# KiCad board hermod-right.kicad_pcb
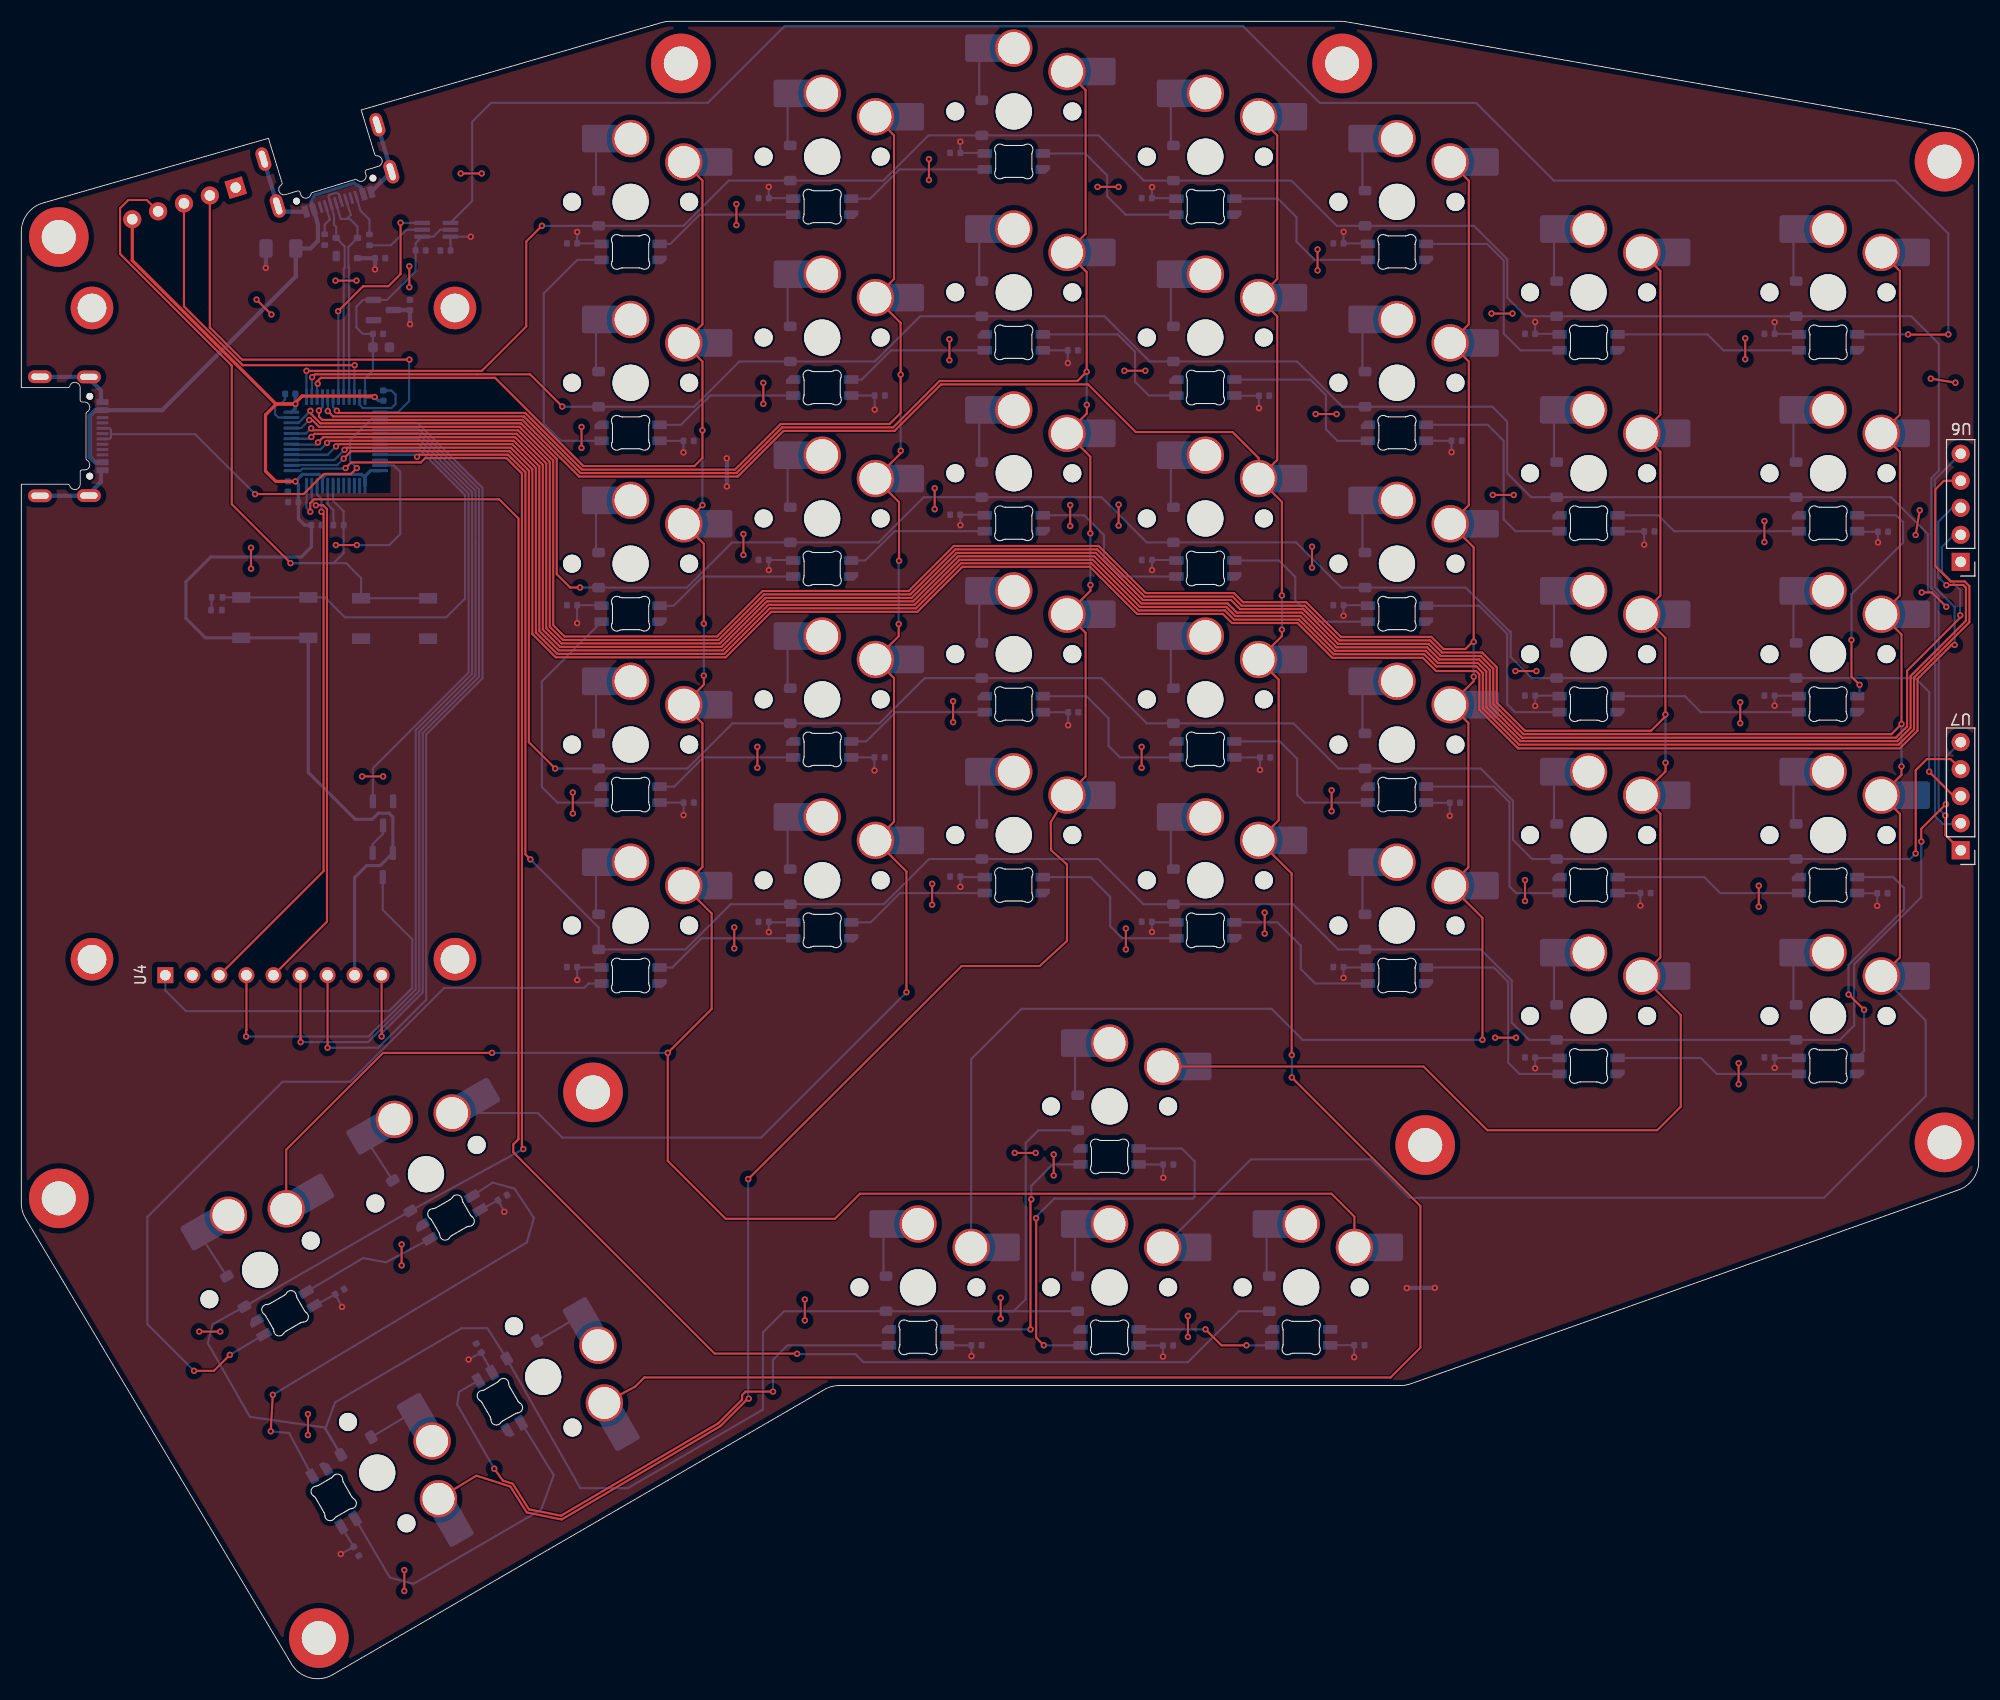
[diagram p0: board, top side]
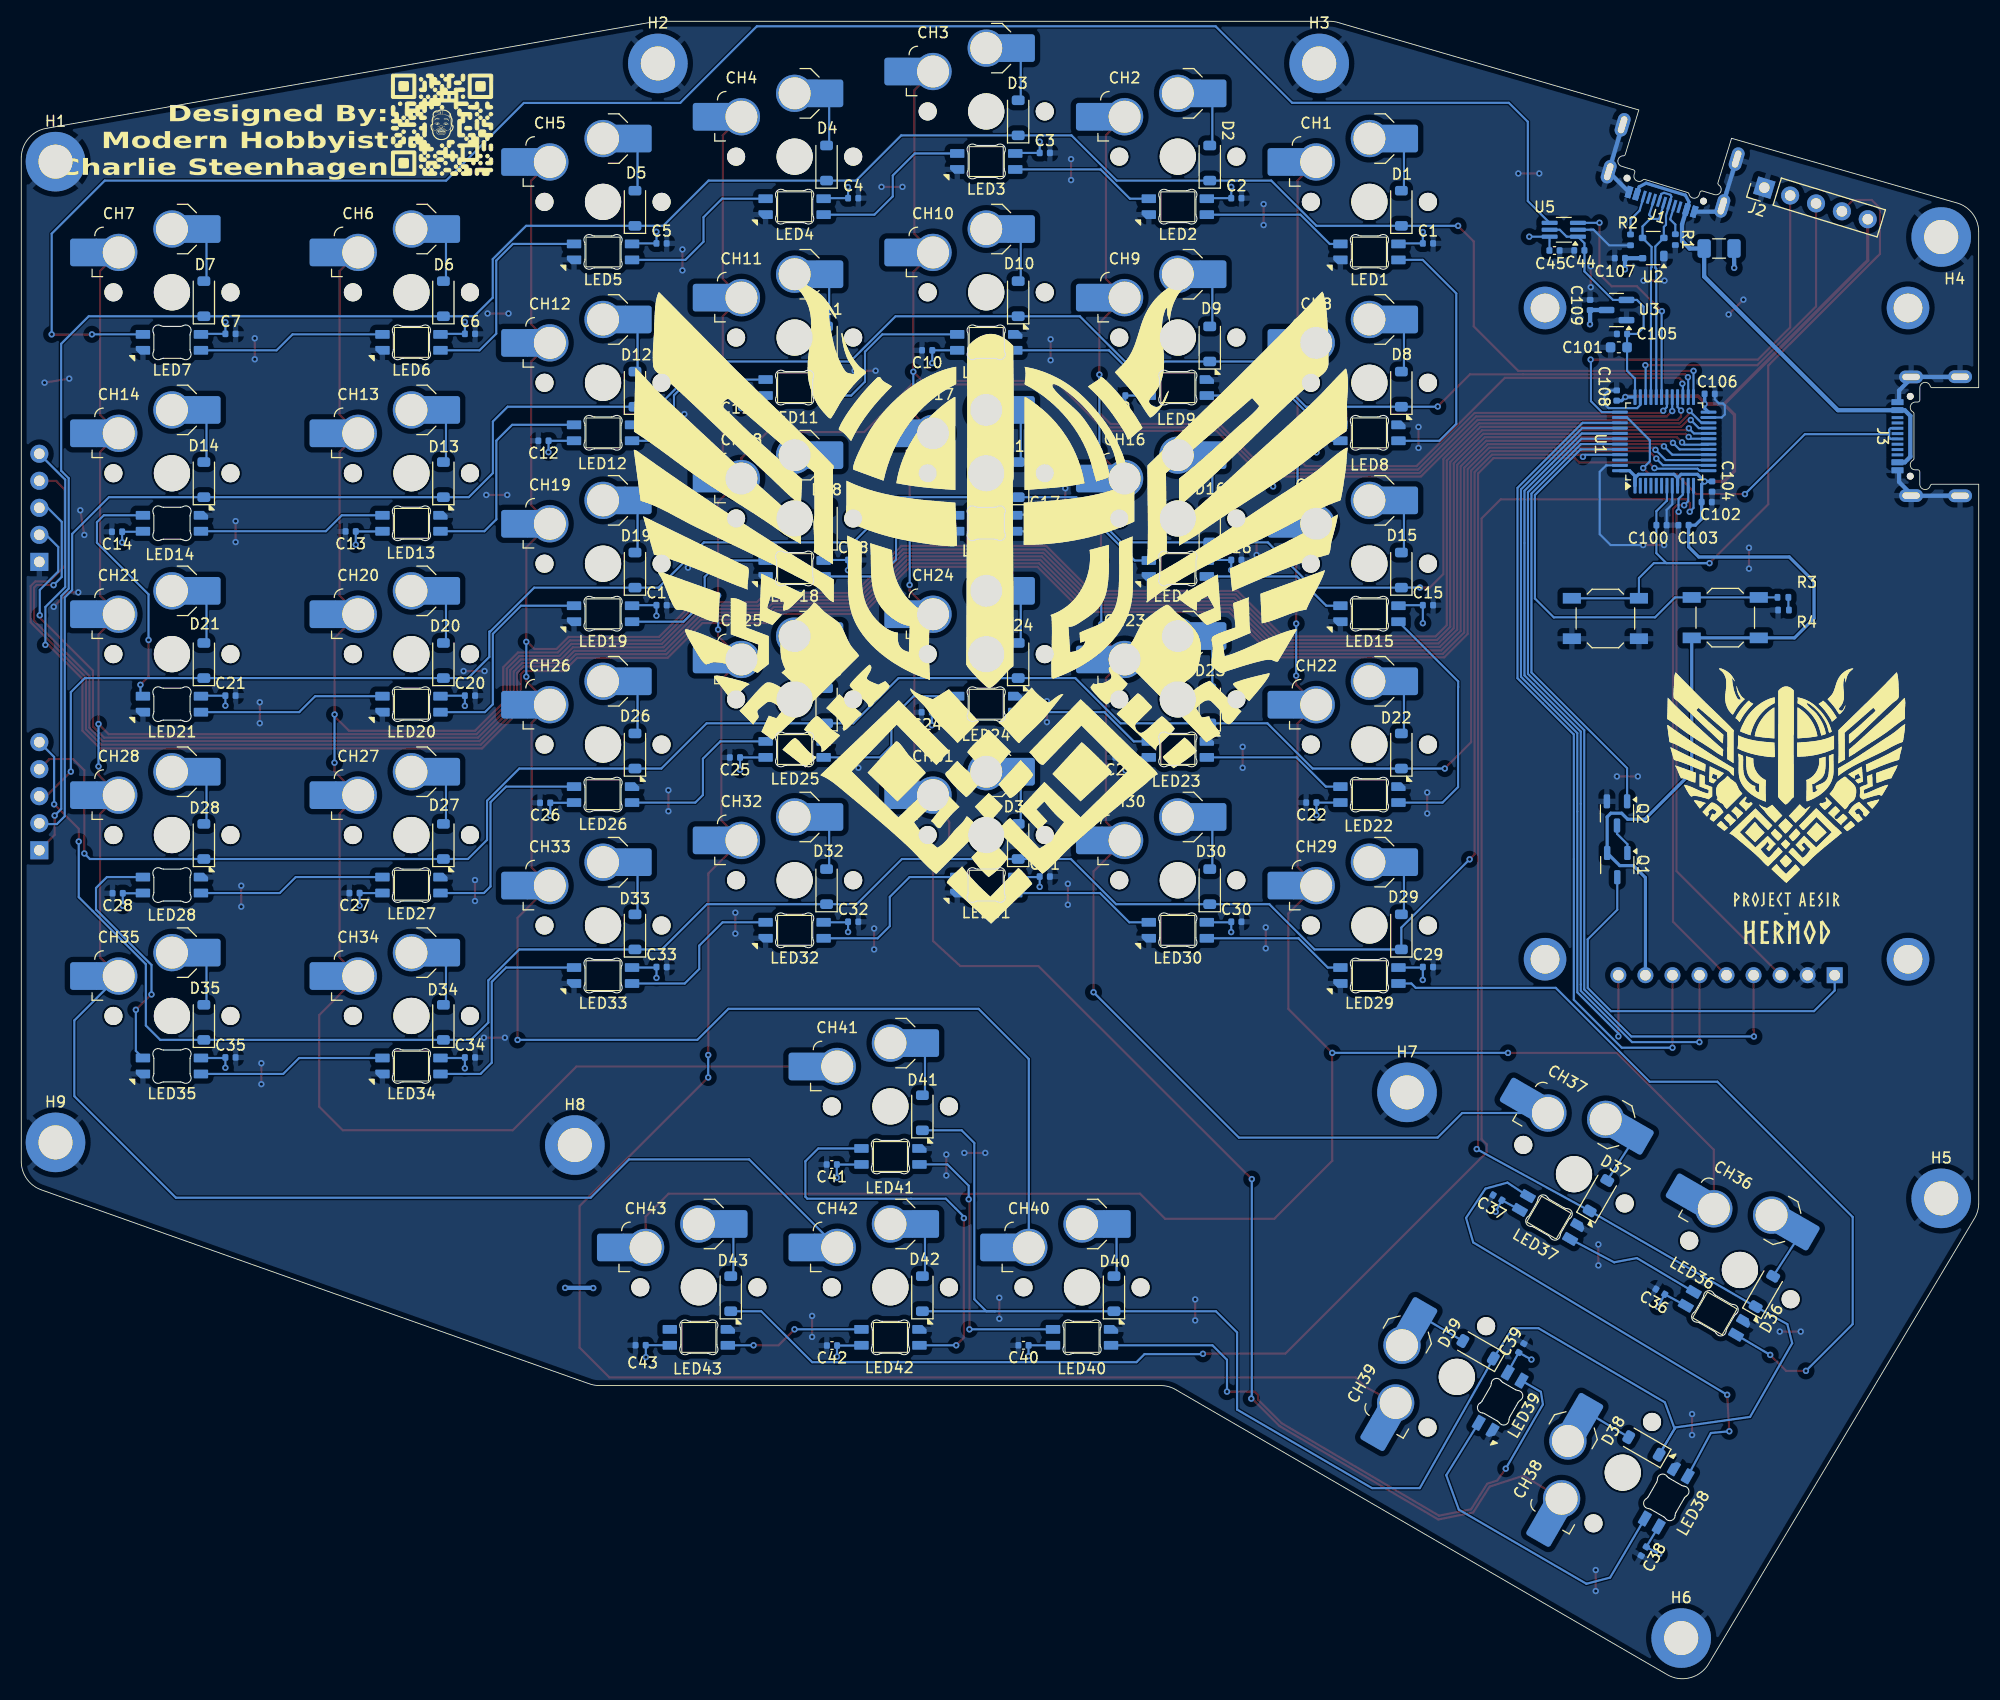
[diagram p1: board, bottom side, seen from below]

Outline 183.9 x 155.75 mm; copper layers: Top, Bottom. Coordinates in mm from the lower left corner of the outline.
Outline path: 124.42,155.71 181.56,145.69 181.69,145.66 181.81,145.63 181.93,145.6 182.05,145.56 182.16,145.51 182.28,145.46 182.39,145.41 182.5,145.35 182.6,145.28 182.7,145.21 182.8,145.14 182.89,145.07 182.98,144.98 183.07,144.9 183.16,144.81 183.23,144.72 183.31,144.63 183.38,144.53 183.45,144.43 183.51,144.33 183.57,144.22 183.63,144.11 183.68,144 183.72,143.89 183.76,143.77 183.8,143.65 183.83,143.53 183.85,143.41 183.87,143.29 183.88,143.16 183.89,143.04 183.9,142.91 183.9,48.6 183.89,48.49 183.89,48.38 183.88,48.27 183.86,48.16 183.84,48.05 183.82,47.95 183.79,47.84 183.76,47.74 183.73,47.64 183.69,47.54 183.64,47.44 183.6,47.34 183.55,47.25 183.49,47.15 183.44,47.06 183.38,46.97 183.31,46.89 183.25,46.8 183.18,46.72 183.11,46.64 183.03,46.57 182.95,46.5 182.87,46.43 182.78,46.36 182.7,46.29 182.61,46.23 182.51,46.18 182.42,46.12 182.32,46.07 182.22,46.03 182.12,45.98 182.02,45.94 130.52,27.71 130.41,27.67 130.29,27.64 130.17,27.61 130.06,27.59 129.94,27.57 129.58,27.55 76.86,27.55 76.76,27.55 76.67,27.54 76.58,27.54 76.49,27.53 76.39,27.51 76.3,27.49 76.21,27.48 76.12,27.45 76.03,27.43 75.95,27.4 75.86,27.37 75.77,27.33 75.69,27.3 75.61,27.26 75.52,27.21 75.44,27.17 29.25,0.38 29.13,0.31 29,0.25 28.87,0.19 28.73,0.14 28.6,0.1 28.47,0.07 28.33,0.04 28.2,0.02 28.06,0.01 27.92,0 27.79,0 27.65,0.01 27.51,0.02 27.38,0.04 27.25,0.06 27.11,0.09 26.98,0.13 26.85,0.17 26.73,0.22 26.6,0.28 26.48,0.34 26.36,0.41 26.25,0.48 26.14,0.56 26.03,0.64 25.92,0.73 25.82,0.83 25.72,0.93 25.63,1.03 25.54,1.15 25.46,1.26 25.39,1.38 0.4,43.26 0.35,43.34 0.31,43.43 0.26,43.51 0.23,43.6 0.19,43.69 0.16,43.77 0.13,43.86 0.1,43.96 0.08,44.05 0.06,44.14 0.04,44.23 0.03,44.33 0.01,44.42 0.01,44.51 0,44.61 0,44.71 0,112.25 4.36,112.25 4.58,112.03 4.6,112 4.62,111.96 4.65,111.93 4.68,111.9 4.7,111.87 4.73,111.85 4.77,111.83 4.8,111.81 4.84,111.79 4.87,111.78 4.91,111.77 4.95,111.76 5.54,112.25 5.54,113.4 5.93,113.6 6.08,114.68 6.08,118.87 5.93,119.97 5.53,120.17 5.53,121.32 4.36,121.32 0,121.32 0,135.97 0.01,136.09 0.01,136.2 0.03,136.32 0.04,136.43 0.06,136.55 0.09,136.66 0.12,136.77 0.15,136.88 0.19,136.98 0.23,137.09 0.28,137.19 0.33,137.29 0.39,137.39 0.44,137.48 0.51,137.58 0.57,137.67 0.64,137.76 0.71,137.84 0.79,137.92 0.87,138 0.95,138.08 1.04,138.15 1.12,138.22 1.22,138.29 1.31,138.35 1.41,138.41 1.51,138.47 1.61,138.52 1.72,138.56 1.82,138.61 1.93,138.65 2.05,138.68 23.22,144.76 24.49,140.59 24.38,140.34 24.35,140.31 24.32,140.28 24.3,140.25 24.28,140.22 24.25,140.19 24.24,140.15 24.22,140.11 24.21,140.08 24.2,140.04 24.2,140 24.19,139.96 24.19,139.92 24.2,139.88 24.2,139.84 24.84,139.47 25.94,139.8 26.25,139.48 27.35,139.66 29.35,140.27 31.36,140.89 32.37,141.35 32.44,141.79 33.55,142.13 33.59,142.14 33.63,142.16 33.66,142.18 33.69,142.2 33.72,142.23 33.75,142.25 33.78,142.28 33.8,142.31 33.83,142.34 33.85,142.38 33.86,142.41 33.88,142.45 33.89,142.49 33.9,142.53 33.9,142.57 33.2,143.25 31.93,147.42 60.18,155.64 60.28,155.67 60.38,155.69 60.48,155.71 60.58,155.72 60.67,155.74 60.77,155.75 60.87,155.75 60.97,155.75 123.95,155.75 closed
Stack: Top 0.035mm / dielectric 1.51mm FR4 er 4.5 / Bottom 0.035mm

## Placement (name value [footprint] x y rotation side)
BOOT1  SW_SPST  [SW_SPST_TL3342]  23.81 99.71 0 bottom
C1  0.1uF  [C_0402_1005Metric]  51.74 134.88 180 bottom
C2  0.1uF  [C_0402_1005Metric]  69.74 139.13 180 bottom
C3  0.1uF  [C_0402_1005Metric]  87.74 143.38 180 bottom
C4  0.1uF  [C_0402_1005Metric]  105.74 139.13 180 bottom
C5  0.1uF  [C_0402_1005Metric]  123.74 134.88 180 bottom
C6  0.1uF  [C_0402_1005Metric]  141.74 126.38 180 bottom
C7  0.1uF  [C_0402_1005Metric]  164.24 126.38 180 bottom
C8  0.1uF  [C_0402_1005Metric]  62.69 116.32 0 bottom
C9  0.1uF  [C_0402_1005Metric]  80.65 120.58 0 bottom
C10  0.1uF  [C_0402_1005Metric]  98.79 124.83 0 bottom
C11  0.1uF  [C_0402_1005Metric]  116.76 120.56 0 bottom
C12  0.1uF  [C_0402_1005Metric]  134.84 116.33 0 bottom
C13  0.1uF  [C_0402_1005Metric]  152.95 107.81 0 bottom
C14  0.1uF  [C_0402_1005Metric]  174.9 107.78 0 bottom
C15  0.1uF  [C_0402_1005Metric]  51.74 100.88 180 bottom
C16  0.1uF  [C_0402_1005Metric]  69.74 105.13 180 bottom
C17  0.1uF  [C_0402_1005Metric]  87.74 109.38 180 bottom
C18  0.1uF  [C_0402_1005Metric]  105.74 105.13 180 bottom
C19  0.1uF  [C_0402_1005Metric]  123.74 100.88 180 bottom
C20  0.1uF  [C_0402_1005Metric]  141.74 92.38 180 bottom
C21  0.1uF  [C_0402_1005Metric]  164.24 92.38 180 bottom
C22  0.1uF  [C_0402_1005Metric]  62.7 82.33 0 bottom
C23  0.1uF  [C_0402_1005Metric]  80.63 86.58 0 bottom
C24  0.1uF  [C_0402_1005Metric]  98.83 90.82 0 bottom
C25  0.1uF  [C_0402_1005Metric]  116.85 86.57 0 bottom
C26  0.1uF  [C_0402_1005Metric]  134.68 82.31 0 bottom
C27  0.1uF  [C_0402_1005Metric]  152.59 73.83 0 bottom
C28  0.1uF  [C_0402_1005Metric]  174.84 73.81 0 bottom
C29  0.1uF  [C_0402_1005Metric]  51.74 66.88 180 bottom
C30  0.1uF  [C_0402_1005Metric]  69.74 71.13 180 bottom
C31  0.1uF  [C_0402_1005Metric]  87.74 75.38 180 bottom
C32  0.1uF  [C_0402_1005Metric]  105.74 71.13 180 bottom
C33  0.1uF  [C_0402_1005Metric]  123.74 66.88 180 bottom
C34  0.1uF  [C_0402_1005Metric]  141.74 58.38 180 bottom
C35  0.1uF  [C_0402_1005Metric]  164.24 58.38 180 bottom
C36  0.1uF  [C_0402_1005Metric]  29.91 36.37 30 bottom
C37  0.1uF  [C_0402_1005Metric]  45.21 45.21 30 bottom
C38  0.1uF  [C_0402_1005Metric]  31.47 11.97 300 bottom
C39  0.1uF  [C_0402_1005Metric]  42.97 31.08 120 bottom
C40  0.1uF  [C_0402_1005Metric]  89.74 31.33 0 bottom
C41  0.1uF  [C_0402_1005Metric]  107.75 48.32 0 bottom
C42  0.1uF  [C_0402_1005Metric]  107.73 31.31 0 bottom
C43  0.1uF  [C_0402_1005Metric]  125.71 31.34 0 bottom
C44  0.1uF  [C_0402_1005Metric]  37.52 134.22 180 bottom
C45  0.1uF  [C_0402_1005Metric]  39.85 134.21 180 bottom
C100  100nF  [C_0402_1005Metric]  29.8 108.4 180 bottom
C101  10uF  [C_0603_1608Metric]  33.81 125.11 0 bottom
C102  100nF  [C_0402_1005Metric]  25.55 110.57 180 bottom
C103  100nF  [C_0402_1005Metric]  27.73 108.4 0 bottom
C104  100nF  [C_0402_1005Metric]  25.05 112.03 270 bottom
C105  100nF  [C_0402_1005Metric]  33.51 126.37 0 bottom
C106  100nF  [C_0402_1005Metric]  25.27 120.74 180 bottom
C107  1uF  [C_0402_1005Metric]  33.71 133.49 0 bottom
C108  1uF  [C_0402_1005Metric]  34.01 120.58 90 bottom
C109  100nF  [C_0402_1005Metric]  36.51 129.09 90 bottom
CH1  choc_v1_SW_HS  [SW_choc_v1_HS_CPG135001S30_1u]  57.24 138.78 0 bottom
CH2  choc_v1_SW_HS  [SW_choc_v1_HS_CPG135001S30_1u]  75.24 143.03 0 bottom
CH3  choc_v1_SW_HS  [SW_choc_v1_HS_CPG135001S30_1u]  93.24 147.28 0 bottom
CH4  choc_v1_SW_HS  [SW_choc_v1_HS_CPG135001S30_1u]  111.24 143.03 0 bottom
CH5  choc_v1_SW_HS  [SW_choc_v1_HS_CPG135001S30_1u]  129.24 138.78 0 bottom
CH6  choc_v1_SW_HS  [SW_choc_v1_HS_CPG135001S30_1u]  147.24 130.28 0 bottom
CH7  choc_v1_SW_HS  [SW_choc_v1_HS_CPG135001S30_1.5u]  169.74 130.28 0 bottom
CH8  choc_v1_SW_HS  [SW_choc_v1_HS_CPG135001S30_1u]  57.24 121.78 0 bottom
CH9  choc_v1_SW_HS  [SW_choc_v1_HS_CPG135001S30_1u]  75.24 126.03 0 bottom
CH10  choc_v1_SW_HS  [SW_choc_v1_HS_CPG135001S30_1u]  93.24 130.28 0 bottom
CH11  choc_v1_SW_HS  [SW_choc_v1_HS_CPG135001S30_1u]  111.24 126.03 0 bottom
CH12  choc_v1_SW_HS  [SW_choc_v1_HS_CPG135001S30_1u]  129.24 121.78 0 bottom
CH13  choc_v1_SW_HS  [SW_choc_v1_HS_CPG135001S30_1u]  147.24 113.28 0 bottom
CH14  choc_v1_SW_HS  [SW_choc_v1_HS_CPG135001S30_1.5u]  169.74 113.28 0 bottom
CH15  choc_v1_SW_HS  [SW_choc_v1_HS_CPG135001S30_1u]  57.24 104.78 0 bottom
CH16  choc_v1_SW_HS  [SW_choc_v1_HS_CPG135001S30_1u]  75.24 109.03 0 bottom
CH17  choc_v1_SW_HS  [SW_choc_v1_HS_CPG135001S30_1u]  93.24 113.28 0 bottom
CH18  choc_v1_SW_HS  [SW_choc_v1_HS_CPG135001S30_1u]  111.24 109.03 0 bottom
CH19  choc_v1_SW_HS  [SW_choc_v1_HS_CPG135001S30_1u]  129.24 104.78 0 bottom
CH20  choc_v1_SW_HS  [SW_choc_v1_HS_CPG135001S30_1u]  147.24 96.28 0 bottom
CH21  choc_v1_SW_HS  [SW_choc_v1_HS_CPG135001S30_1.5u]  169.74 96.28 0 bottom
CH22  choc_v1_SW_HS  [SW_choc_v1_HS_CPG135001S30_1u]  57.24 87.78 0 bottom
CH23  choc_v1_SW_HS  [SW_choc_v1_HS_CPG135001S30_1u]  75.24 92.03 0 bottom
CH24  choc_v1_SW_HS  [SW_choc_v1_HS_CPG135001S30_1u]  93.24 96.28 0 bottom
CH25  choc_v1_SW_HS  [SW_choc_v1_HS_CPG135001S30_1u]  111.24 92.03 0 bottom
CH26  choc_v1_SW_HS  [SW_choc_v1_HS_CPG135001S30_1u]  129.24 87.78 0 bottom
CH27  choc_v1_SW_HS  [SW_choc_v1_HS_CPG135001S30_1u]  147.24 79.28 0 bottom
CH28  choc_v1_SW_HS  [SW_choc_v1_HS_CPG135001S30_1.5u]  169.74 79.28 0 bottom
CH29  choc_v1_SW_HS  [SW_choc_v1_HS_CPG135001S30_1u]  57.24 70.78 0 bottom
CH30  choc_v1_SW_HS  [SW_choc_v1_HS_CPG135001S30_1u]  75.24 75.03 0 bottom
CH31  choc_v1_SW_HS  [SW_choc_v1_HS_CPG135001S30_1u]  93.24 79.28 0 bottom
CH32  choc_v1_SW_HS  [SW_choc_v1_HS_CPG135001S30_1u]  111.24 75.03 0 bottom
CH33  choc_v1_SW_HS  [SW_choc_v1_HS_CPG135001S30_1u]  129.24 70.78 0 bottom
CH34  choc_v1_SW_HS  [SW_choc_v1_HS_CPG135001S30_1u]  147.24 62.28 0 bottom
CH35  choc_v1_SW_HS  [SW_choc_v1_HS_CPG135001S30_1.5u]  169.74 62.28 0 bottom
CH36  choc_v1_SW_HS  [SW_choc_v1_HS_CPG135001S30_1u]  22.43 38.41 30 bottom
CH37  choc_v1_SW_HS  [SW_choc_v1_HS_CPG135001S30_1u]  38.02 47.41 30 bottom
CH38  choc_v1_SW_HS  [SW_choc_v1_HS_CPG135001S30_1.5u]  33.44 19.37 300 bottom
CH39  choc_v1_SW_HS  [SW_choc_v1_HS_CPG135001S30_1.5u]  49.03 28.37 300 bottom
CH40  choc_v1_SW_HS  [SW_choc_v1_HS_CPG135001S30_1u]  84.24 36.78 0 bottom
CH41  choc_v1_SW_HS  [SW_choc_v1_HS_CPG135001S30_1u]  102.24 53.78 0 bottom
CH42  choc_v1_SW_HS  [SW_choc_v1_HS_CPG135001S30_1u]  102.24 36.78 0 bottom
CH43  choc_v1_SW_HS  [SW_choc_v1_HS_CPG135001S30_1u]  120.24 36.78 0 bottom
D1  D  [D_SOD-123]  54.24 138.18 90 bottom
D2  D  [D_SOD-123]  72.24 142.43 90 bottom
D3  D  [D_SOD-123]  90.24 146.68 90 bottom
D4  D  [D_SOD-123]  108.24 142.43 90 bottom
D5  D  [D_SOD-123]  126.24 138.18 90 bottom
D6  D  [D_SOD-123]  144.24 129.68 90 bottom
D7  D  [D_SOD-123]  166.74 129.68 90 bottom
D8  D  [D_SOD-123]  54.24 121.18 90 bottom
D9  D  [D_SOD-123]  72.24 125.43 90 bottom
D10  D  [D_SOD-123]  90.24 129.68 90 bottom
D11  D  [D_SOD-123]  108.24 125.43 90 bottom
D12  D  [D_SOD-123]  126.24 121.18 90 bottom
D13  D  [D_SOD-123]  144.24 112.68 90 bottom
D14  D  [D_SOD-123]  166.74 112.68 90 bottom
D15  D  [D_SOD-123]  54.24 104.18 90 bottom
D16  D  [D_SOD-123]  72.24 108.43 90 bottom
D17  D  [D_SOD-123]  90.24 112.68 90 bottom
D18  D  [D_SOD-123]  108.24 108.43 90 bottom
D19  D  [D_SOD-123]  126.24 104.18 90 bottom
D20  D  [D_SOD-123]  144.24 95.68 90 bottom
D21  D  [D_SOD-123]  166.74 95.68 90 bottom
D22  D  [D_SOD-123]  54.24 87.18 90 bottom
D23  D  [D_SOD-123]  72.24 91.43 90 bottom
D24  D  [D_SOD-123]  90.24 95.68 90 bottom
D25  D  [D_SOD-123]  108.24 91.43 90 bottom
D26  D  [D_SOD-123]  126.24 87.18 90 bottom
D27  D  [D_SOD-123]  144.24 78.68 90 bottom
D28  D  [D_SOD-123]  166.74 78.68 90 bottom
D29  D  [D_SOD-123]  54.24 70.18 90 bottom
D30  D  [D_SOD-123]  72.24 74.43 90 bottom
D31  D  [D_SOD-123]  90.24 78.68 90 bottom
D32  D  [D_SOD-123]  108.24 74.43 90 bottom
D33  D  [D_SOD-123]  126.24 70.18 90 bottom
D34  D  [D_SOD-123]  144.24 61.68 90 bottom
D35  D  [D_SOD-123]  166.74 61.68 90 bottom
D36  D  [D_SOD-123]  20.14 36.39 120 bottom
D37  D  [D_SOD-123]  35.72 45.39 120 bottom
D38  D  [D_SOD-123]  31.45 21.87 30 bottom
D39  D  [D_SOD-123]  47.03 30.91 30 bottom
D40  D  [D_SOD-123]  81.24 36.18 90 bottom
D41  D  [D_SOD-123]  99.24 53.18 90 bottom
D42  D  [D_SOD-123]  99.24 36.18 90 bottom
D43  D  [D_SOD-123]  117.24 36.18 90 bottom
F1  500mA  [Fuse_1206_3216Metric]  24.39 134.4 180 bottom
H1  MountingHole_Pad  [MountingHole_3.2mm_M3_DIN965_Pad]  180.68 142.56 180 bottom
H2  MountingHole_Pad  [MountingHole_3.2mm_M3_DIN965_Pad]  124.09 151.79 180 bottom
H3  MountingHole_Pad  [MountingHole_3.2mm_M3_DIN965_Pad]  61.96 151.79 180 bottom
H4  MountingHole_Pad  [MountingHole_3.2mm_M3_DIN965_Pad]  3.52 135.48 180 bottom
H5  MountingHole_Pad  [MountingHole_3.2mm_M3_DIN965_Pad]  3.52 45.14 180 bottom
H6  MountingHole_Pad  [MountingHole_3.2mm_M3_DIN965_Pad]  27.95 3.82 180 bottom
H7  MountingHole_Pad  [MountingHole_3.2mm_M3_DIN965_Pad]  53.71 55.1 180 bottom
H8  MountingHole_Pad  [MountingHole_3.2mm_M3_DIN965_Pad]  131.89 50.15 180 bottom
H9  MountingHole_Pad  [MountingHole_3.2mm_M3_DIN965_Pad]  180.68 50.4 180 bottom
J1  USB_C_Receptacle_USB2.0  [USB_C_Receptacle_HRO_TYPE-C-31-M-14]  29.45 139.93 16.8 bottom
J2  Conn_01x05  [PinHeader_1x05_P2.54mm_Vertical]  20.14 140.12 107 bottom
J3  USB_C_Receptacle_USB2.0  [USB_C_Receptacle_HRO_TYPE-C-31-M-14]  6.43 116.76 90 bottom
LED1  choc_SK6812MINI-E  [LED_choc_6028R]  57.24 134.08 0 bottom
LED2  choc_SK6812MINI-E  [LED_choc_6028R]  75.24 138.33 0 bottom
LED3  choc_SK6812MINI-E  [LED_choc_6028R]  93.24 142.58 0 bottom
LED4  choc_SK6812MINI-E  [LED_choc_6028R]  111.24 138.33 0 bottom
LED5  choc_SK6812MINI-E  [LED_choc_6028R]  129.24 134.08 0 bottom
LED6  choc_SK6812MINI-E  [LED_choc_6028R]  147.24 125.58 0 bottom
LED7  choc_SK6812MINI-E  [LED_choc_6028R]  169.74 125.58 0 bottom
LED8  choc_SK6812MINI-E  [LED_choc_6028R]  57.24 117.08 180 bottom
LED9  choc_SK6812MINI-E  [LED_choc_6028R]  75.24 121.33 180 bottom
LED10  choc_SK6812MINI-E  [LED_choc_6028R]  93.24 125.58 180 bottom
LED11  choc_SK6812MINI-E  [LED_choc_6028R]  111.24 121.33 180 bottom
LED12  choc_SK6812MINI-E  [LED_choc_6028R]  129.24 117.08 180 bottom
LED13  choc_SK6812MINI-E  [LED_choc_6028R]  147.24 108.58 180 bottom
LED14  choc_SK6812MINI-E  [LED_choc_6028R]  169.74 108.58 180 bottom
LED15  choc_SK6812MINI-E  [LED_choc_6028R]  57.24 100.08 0 bottom
LED16  choc_SK6812MINI-E  [LED_choc_6028R]  75.24 104.33 0 bottom
LED17  choc_SK6812MINI-E  [LED_choc_6028R]  93.24 108.58 0 bottom
LED18  choc_SK6812MINI-E  [LED_choc_6028R]  111.24 104.33 0 bottom
LED19  choc_SK6812MINI-E  [LED_choc_6028R]  129.24 100.08 0 bottom
LED20  choc_SK6812MINI-E  [LED_choc_6028R]  147.24 91.58 0 bottom
LED21  choc_SK6812MINI-E  [LED_choc_6028R]  169.74 91.58 0 bottom
LED22  choc_SK6812MINI-E  [LED_choc_6028R]  57.24 83.08 180 bottom
LED23  choc_SK6812MINI-E  [LED_choc_6028R]  75.24 87.33 180 bottom
LED24  choc_SK6812MINI-E  [LED_choc_6028R]  93.24 91.58 180 bottom
LED25  choc_SK6812MINI-E  [LED_choc_6028R]  111.24 87.33 180 bottom
LED26  choc_SK6812MINI-E  [LED_choc_6028R]  129.24 83.08 180 bottom
LED27  choc_SK6812MINI-E  [LED_choc_6028R]  147.24 74.58 180 bottom
LED28  choc_SK6812MINI-E  [LED_choc_6028R]  169.74 74.58 180 bottom
LED29  choc_SK6812MINI-E  [LED_choc_6028R]  57.24 66.08 0 bottom
LED30  choc_SK6812MINI-E  [LED_choc_6028R]  75.24 70.33 0 bottom
LED31  choc_SK6812MINI-E  [LED_choc_6028R]  93.24 74.58 0 bottom
LED32  choc_SK6812MINI-E  [LED_choc_6028R]  111.24 70.33 0 bottom
LED33  choc_SK6812MINI-E  [LED_choc_6028R]  129.24 66.08 0 bottom
LED34  choc_SK6812MINI-E  [LED_choc_6028R]  147.24 57.58 0 bottom
LED35  choc_SK6812MINI-E  [LED_choc_6028R]  169.74 57.58 0 bottom
LED36  choc_SK6812MINI-E  [LED_choc_6028R]  24.78 34.34 210 bottom
LED37  choc_SK6812MINI-E  [LED_choc_6028R]  40.37 43.34 210 bottom
LED38  choc_SK6812MINI-E  [LED_choc_6028R]  29.35 17.04 120 bottom
LED39  choc_SK6812MINI-E  [LED_choc_6028R]  44.96 26.03 300 bottom
LED40  choc_SK6812MINI-E  [LED_choc_6028R]  84.24 32.08 180 bottom
LED41  choc_SK6812MINI-E  [LED_choc_6028R]  102.24 49.08 180 bottom
LED42  choc_SK6812MINI-E  [LED_choc_6028R]  102.24 32.08 180 bottom
LED43  choc_SK6812MINI-E  [LED_choc_6028R]  120.24 32.08 180 bottom
Q1  AO3401A  [SOT-23-3]  33.96 76.46 270 bottom
Q2  MMUN2233LT1G  [SOT-23-3]  33.98 81.31 270 bottom
R1  5.1k  [R_0402_1005Metric]  28.5 135.23 90 bottom
R2  5.1k  [R_0402_1005Metric]  32.71 135.21 270 bottom
R3  5.1k  [R_0402_1005Metric]  18.39 101.62 180 bottom
R4  5.1k  [R_0402_1005Metric]  18.34 100.42 0 bottom
RST1  SW_SPST  [SW_SPST_TL3342]  35.07 99.63 180 bottom
U1  STM32F072CBT6  [LQFP-48_7x7mm_P0.5mm]  29.54 116.27 90 bottom
U2  PRTR5V0U2X  [SOT-143]  30.58 134.44 0 bottom
U3  XC6206PxxxMR-Regulator_Linear  [SOT-23]  34.03 128.62 0 bottom
U4  -  [CR2013-MI2120]  13.53 66.11 90 top
U5  TXB0101  [SOT-363_SC-70-6_Handsoldering]  38.98 136.16 0 bottom
U6  ~  [Pogo_2.54mm_5p]  182.2 110.06 180 top
U7  ~  [Pogo_2.54mm_5p]  182.2 82.96 180 top

## Library data of the parts
C1-C43 = -: Description: Unpolarized capacitor; ki_fp_filters: C_*
C44 C45 C100-C109 = -: LCSC: C307331; ki_fp_filters: C_*
CH1-CH43 = -: Description: Push button switch, normally open, two pins, 45° tilted
D1-D43 = -: Description: Diode; Sim.Pins: 1=K 2=A; ki_fp_filters: TO-???* *_Diode_* *SingleDiode* D_*
F1 = -: LCSC: C135341; ki_fp_filters: *polyfuse* *PTC*
H1-H9 = -: Description: Mounting Hole with connection; ki_fp_filters: MountingHole*Pad*
J1 = -: Datasheet: https://www.usb.org/sites/default/files/documents/usb_type-c.zip; JlcPosOffset: 0,1.5; JlcRotOffset: 180; ki_fp_filters: USB*C*Receptacle*
J2 = -: Description: Generic connector, single row, 01x05, script generated (kicad-library-utils/schlib/autogen/connector/); ki_fp_filters: Connector*:*_1x??_*
J3 = -: Datasheet: https://www.usb.org/sites/default/files/documents/usb_type-c.zip; JlcRotOffset: 180; JlcPosOffset: 0,1.5; ki_fp_filters: USB*C*Receptacle*
LED1-LED43 = -: Description: Reverse mount adressable LED (WS2812 protocol)
Q1 = -: ki_fp_filters: SOT?23*
R1-R4 = -: ki_fp_filters: R_*
U1 = -: Datasheet: https://www.st.com/resource/en/datasheet/stm32f072cb.pdf; JlcRotOffset: 90; ki_fp_filters: LQFP*7x7mm*P0.5mm*
U2 = -: Datasheet: https://assets.nexperia.com/documents/data-sheet/PRTR5V0U2X.pdf; LCSC: C2827688; JlcRotOffset: 90; ki_fp_filters: SOT?143*
U3 = -: Datasheet: https://www.torexsemi.com/file/xc6206/XC6206.pdf; LCSC: C5446; ki_fp_filters: SOT?23*
U4 = -: Datasheet: http://pan.baidu.com/s/11Y990; Description: ILI9341 controller, SPI TFT LCD Display, 9-pin breakout PCB, 4-pin SD card interface, 5V/3.3V; ki_fp_filters: *CR2013*MI2120*
U5 = -: Datasheet: https://datasheet.lcsc.com/szlcsc/Texas-Instruments-TI-TXB0101DCKR_C324081.pdf; Description: 1-Bit Bidirectional Voltage-Level Translator; LCSC: C324081; ki_fp_filters: TSSOP*P0.65mm*

## Footprints (pads in the part's own frame, mm; a bottom-side part is the same pattern mirrored in y, then rotated)
C_0402_1005Metric
  rrect 0.56x0.62 smd: 1(-0.48,0) 2(0.48,0)
C_0603_1608Metric
  rrect 0.9x0.95 smd: 1(-0.775,0) 2(0.775,0)
CR2013-MI2120
  round 4 hole 2.7: (1.5,6.89) (1.5,-27.21) (62.7,6.89) (62.7,-27.21)
  rect 1.5x1.5 hole 1: 1(0,0)
  round 1.5 hole 1: 2(0,-2.54) 3(0,-5.08) 4(0,-7.62) 5(0,-10.16) 6(0,-12.7) 7(0,-15.24) 8(0,-17.78) 9(0,-20.32)
D_SOD-123
  rrect 0.9x1.2 smd: 1(-1.65,0) 2(1.65,0)
Fuse_1206_3216Metric
  rrect 1.25x1.75 smd: 1(-1.4,0) 2(1.4,0)
LED_choc_6028R
  rrect 1.35x0.82 smd: 1(-2.725,-0.75) 2(-2.725,0.75) 3(2.725,-0.75) 4(2.725,0.75)
LQFP-48_7x7mm_P0.5mm
  rrect 1.475x0.28 smd: 1(-4.162,2.75) 2(-4.162,2.25) 3(-4.162,1.75) 4(-4.162,1.25) 5(-4.162,0.75) 6(-4.162,0.25) 7(-4.162,-0.25) 8(-4.162,-0.75) 9(-4.162,-1.25) 10(-4.162,-1.75) 11(-4.162,-2.25) 12(-4.162,-2.75) 25(4.162,-2.75) 26(4.162,-2.25) 27(4.162,-1.75) 28(4.162,-1.25) 29(4.162,-0.75) 30(4.162,-0.25) 31(4.162,0.25) 32(4.162,0.75) 33(4.162,1.25) 34(4.162,1.75) 35(4.162,2.25) 36(4.162,2.75)
  rrect 0.28x1.475 smd: 13(-2.75,-4.162) 14(-2.25,-4.162) 15(-1.75,-4.162) 16(-1.25,-4.162) 17(-0.75,-4.162) 18(-0.25,-4.162) 19(0.25,-4.162) 20(0.75,-4.162) 21(1.25,-4.162) 22(1.75,-4.162) 23(2.25,-4.162) 24(2.75,-4.162) 37(2.75,4.162) 38(2.25,4.162) 39(1.75,4.162) 40(1.25,4.162) 41(0.75,4.162) 42(0.25,4.162) 43(-0.25,4.162) 44(-0.75,4.162) 45(-1.25,4.162) 46(-1.75,4.162) 47(-2.25,4.162) 48(-2.75,4.162)
MountingHole_3.2mm_M3_DIN965_Pad
  round 5.6 hole 3.2: 1(0,0)
PinHeader_1x05_P2.54mm_Vertical
  rect 1.7x1.7 hole 1: 1(0,0)
  oval 1.7x1.7 hole 1: 2(0,-2.54) 3(0,-5.08) 4(0,-7.62) 5(0,-10.16)
Pogo_2.54mm_5p
  rect 1.7x1.7 hole 1: 1(0,5.11)
  oval 1.7x1.7 hole 1: 2(0,2.57) 3(0,0.03) 4(0,-2.51) 5(0,-5.05)
R_0402_1005Metric
  rrect 0.54x0.64 smd: 1(-0.51,0) 2(0.51,0)
SOT-23
  rrect 1.475x0.6 smd: 1(-0.938,0.95) 2(-0.938,-0.95) 3(0.938,0)
SOT-23-3
  rrect 1.325x0.6 smd: 1(-1.137,0.95) 2(-1.137,-0.95) 3(1.137,0)
SOT-143
  rrect 0.7x1 smd: 1(-1,0.75)
  rrect 0.7x0.6 smd: 2(-1,-0.95) 3(1,-0.95) 4(1,0.95)
SOT-363_SC-70-6_Handsoldering
  rrect 1.5x0.4 smd: 1(-1.33,0.65) 2(-1.33,0) 3(-1.33,-0.65) 4(1.33,-0.65) 5(1.33,0) 6(1.33,0.65)
SW_choc_v1_HS_CPG135001S30_1.5u
  round 1.7 hole 1.7 unplated: (-5.5,0) (5.5,0)
  round 3.4 hole 3.4 unplated: (0,0)
  round 3.5 hole 3: 1(5,-3.75) 2(0,-5.95)
  rect 1.2x2.6 smd: 1(6.55,-3.75) 2(-1.55,-5.95)
  rrect 2.65x2.6 smd: 1(8.245,-3.75) 2(-3.245,-5.95)
SW_choc_v1_HS_CPG135001S30_1u
  round 1.7 hole 1.7 unplated: (-5.5,0) (5.5,0)
  round 3.4 hole 3.4 unplated: (0,0)
  round 3.5 hole 3: 1(5,-3.75) 2(0,-5.95)
  rect 1.2x2.6 smd: 1(6.55,-3.75) 2(-1.55,-5.95)
  rrect 2.65x2.6 smd: 1(8.245,-3.75) 2(-3.245,-5.95)
SW_SPST_TL3342
  rect 1.7x1 smd: 1(-3.15,1.9) 1(3.15,1.9) 2(-3.15,-1.9) 2(3.15,-1.9)
USB_C_Receptacle_HRO_TYPE-C-31-M-14
  round 0.65 hole 0.65 unplated: (-3.75,0) (3.75,0)
  rect 0.54x1.1 smd: A1(-3.2,1.2) A4(-2.45,1.2) A9(2.45,1.2) A12(3.2,1.2) B1(3.2,1.2) B4(2.45,1.2) B9(-2.45,1.2) B12(-3.2,1.2)
  rect 0.28x1.1 smd: A5(-1.25,1.2) A6(-0.25,1.2) A7(0.25,1.2) A8(1.25,1.2) B5(1.75,1.2) B6(0.75,1.2) B7(-0.75,1.2) B8(-1.75,1.2)
  oval 1.2x2.25 hole 0.6x1.65: S1(-5.595,-4.68) S1(-5.575,-0.08) S1(5.575,-0.08) S1(5.595,-4.68)
